# Altium PCB fNIRS_PCB.PcbDoc (part 2 of 3) (continued)
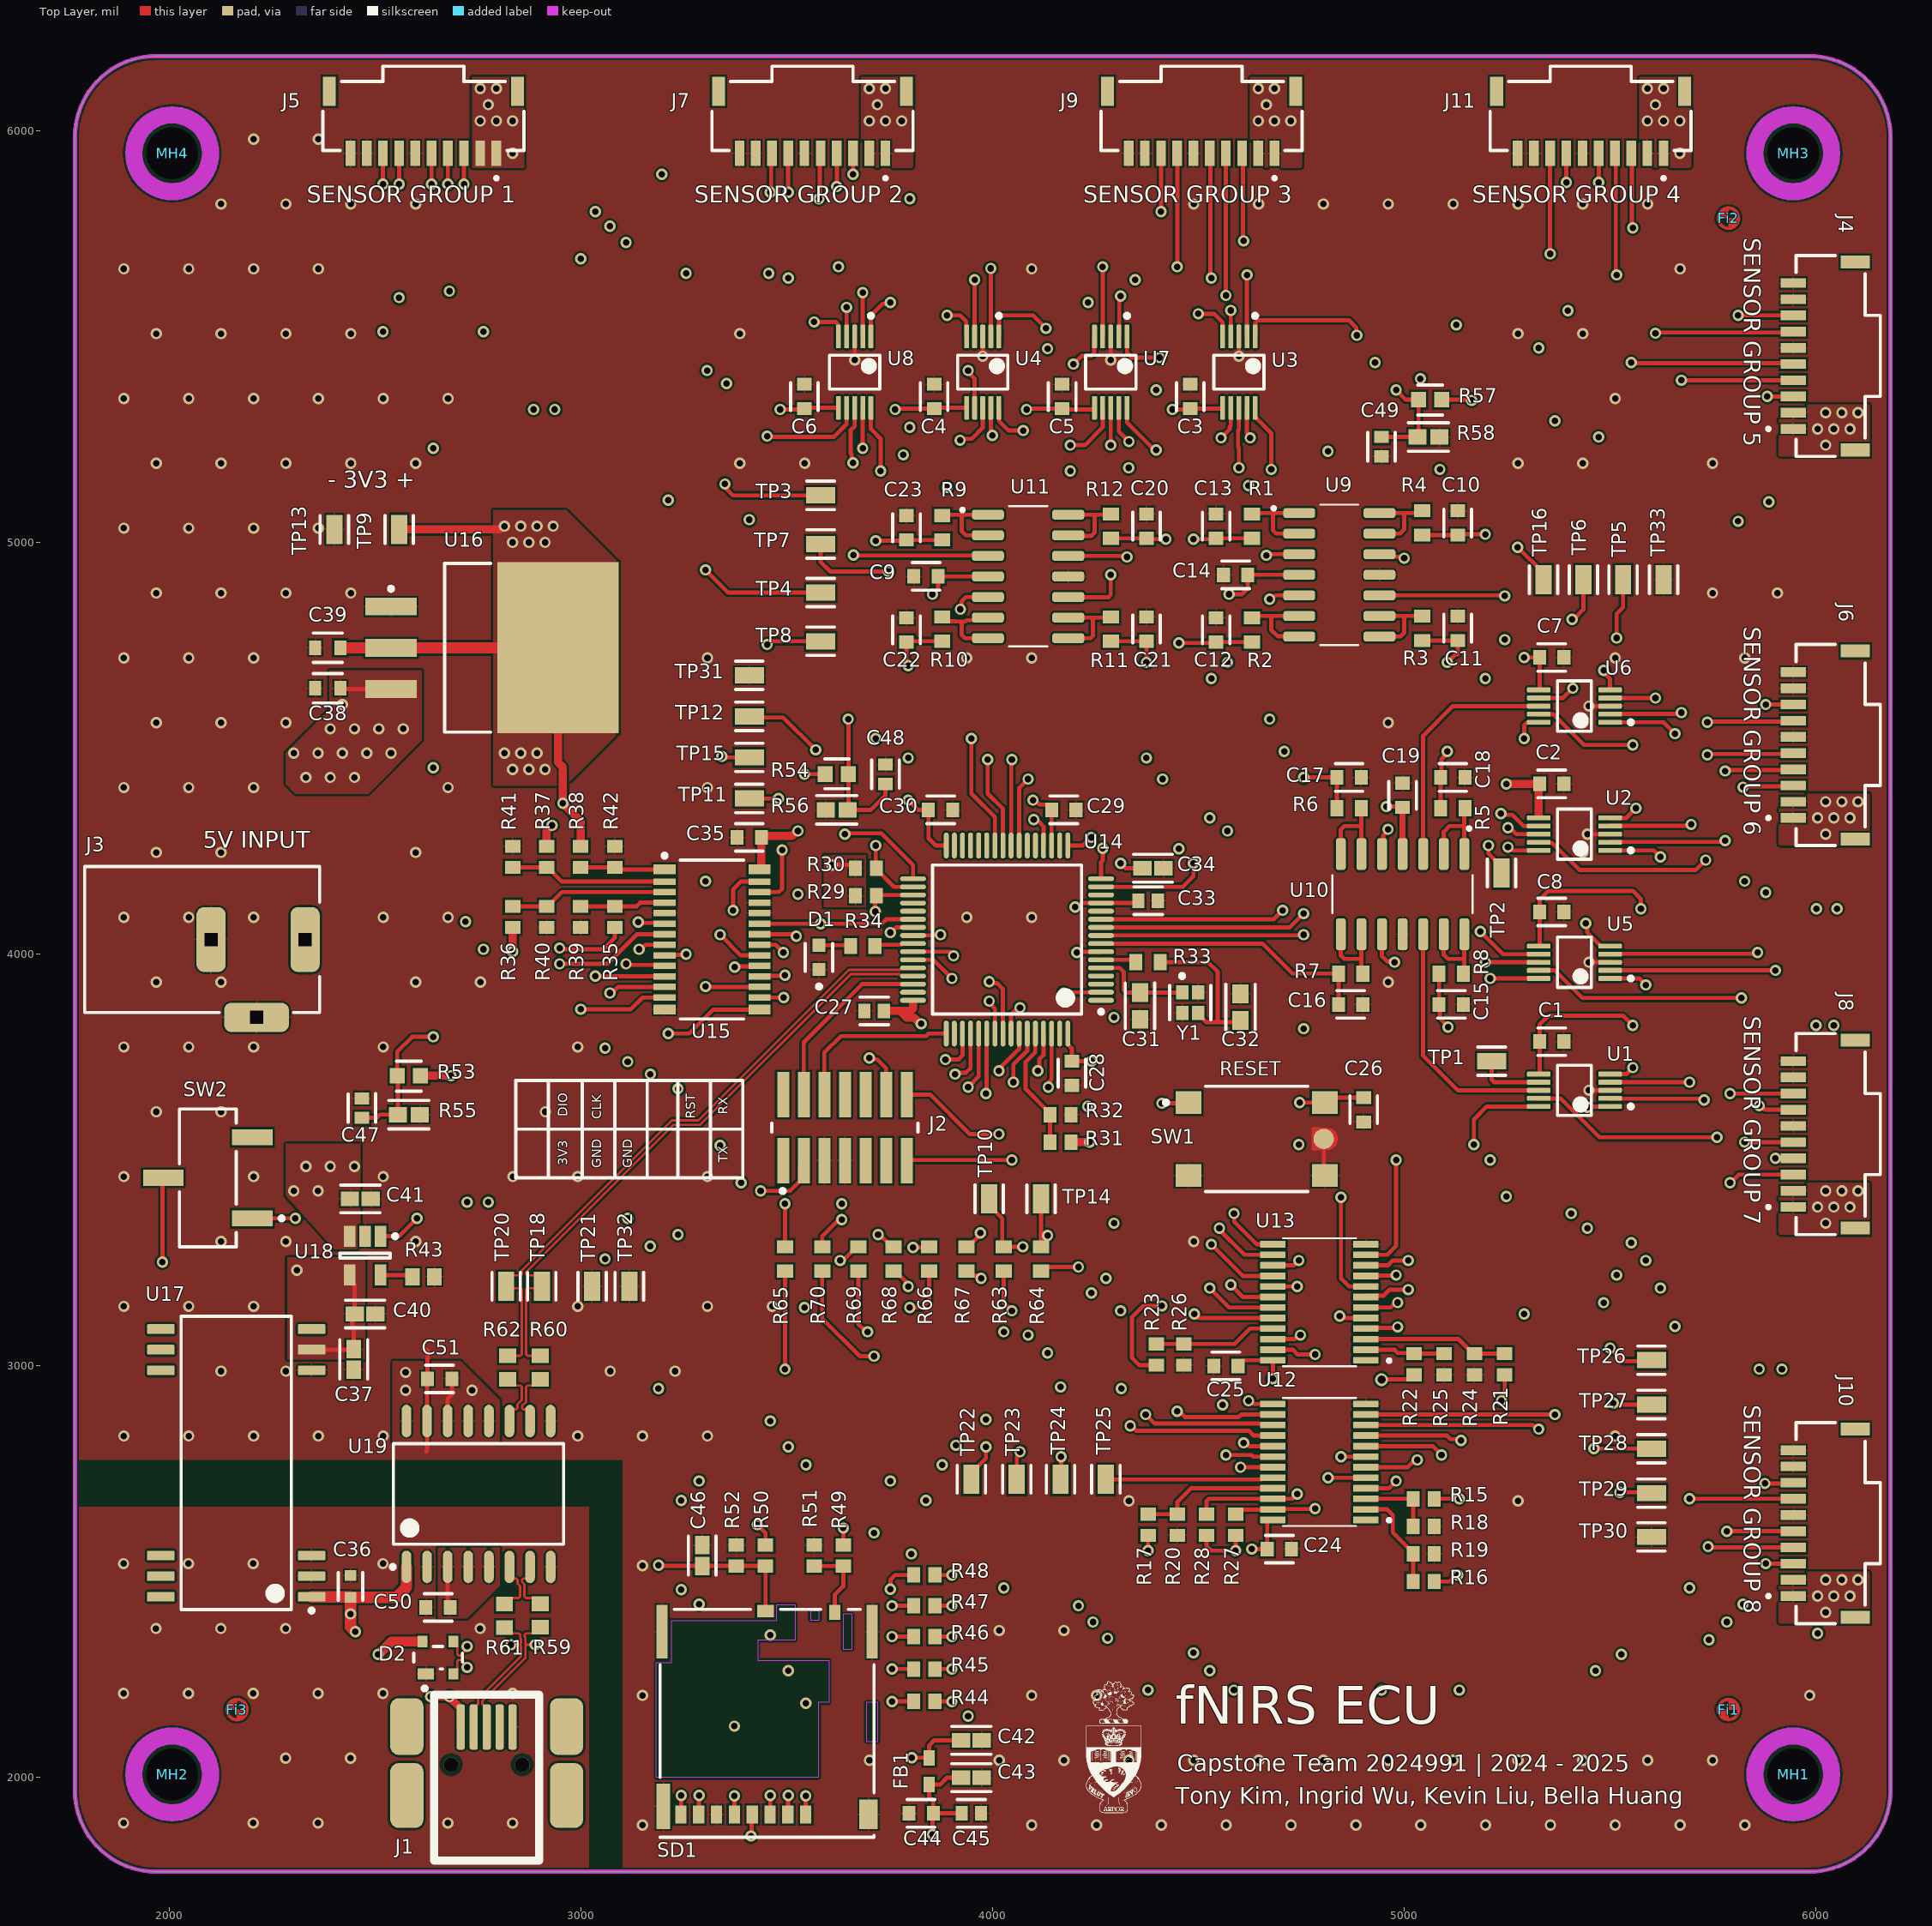
[diagram p0: Top Layer view]
## Nets (pads, with @x,y where several pads share a name; then routed paths per layer and width w, separated by ;. In a path a pad name is that pad's centre, name@x,y a point inside that pad or via, vN(x,y) a via of type N, cw(c..) or ccw(c..) an arc to the next point about the centre after c; other vN are vias at no path point) (continued)
  other v1: 6003.94,2440.95 6043.31,2440.95 6082.68,2440.95 6023.63,2480.32 6063,2480.32 6102.37,2480.32 2574.8,2940.94 2736.22,2940.94 2574.8,2984.25 6023.63,3346.46 6003.94,3385.83 6043.31,3385.83 6082.68,3385.83 6023.63,3425.2 6063,3425.2 6102.37,3425.2 6023.63,4291.34 6003.94,4330.71 6043.31,4330.71 6082.68,4330.71 6023.63,4370.08 6063,4370.08 6102.37,4370.08 2834.65,4448.82 2874.02,4448.82 2913.39,4448.82 2814.96,4488.19 2854.33,4488.19 2893.7,4488.19 2834.65,5000 2874.02,5000 2854.33,5039.37 2893.7,5039.37 2933.07,5039.37 6023.63,5236.22 6003.94,5275.59 6043.31,5275.59 6082.68,5275.59 6023.63,5314.96 6063,5314.96 6102.37,5314.96 2834.65,5944.89 5669.29,5944.89 2755.91,6023.63 2795.28,6023.63 2834.65,6023.63 3700.79,6023.63 3740.16,6023.63 3779.53,6023.63 4645.67,6023.63 4685.04,6023.63 4724.41,6023.63 5590.55,6023.63 5629.92,6023.63 5669.29,6023.63 2775.59,6063 3720.47,6063 4665.36,6063 5610.24,6063 2755.91,6102.37 2795.28,6102.37 3700.79,6102.37 3740.16,6102.37 4645.67,6102.37 4685.04,6102.37 5590.55,6102.37 5629.92,6102.37
3V3_SD: C43.1 C44.1 C45.1 FB1.2 SD1.4 | length 775.2
  Top Layer w10: v1(3413.39,1858.27) 3414.96,1859.84 3414.96,1909.06 SD1.4@3416.54,1910.63 ; v1(3854.33,1862.2) 3854.33,1911.42 C44.1@3856.3,1913.39 ; C43.1@3923.6,2000 3889.76,2000 3873.03,1983.27 FB1.2@3846.46,1983.27 3846.46,1952.76 3856.3,1942.91 C44.1@3856.3,1913.39 ; C45.1@3925.2,1913.39 C44.1@3856.3,1913.39
  Mid Layer 2 w10: v1(3413.39,1858.27) 3415.35,1860.24 3852.36,1860.24 v1(3854.33,1862.2)
5V_ISO: C37.1 C40.1 SW2.2 U17.13 U18.4 | length 832
  Top Layer w10: v1(1984.25,3251.97) 1984.25,3454.72 SW2.2@1986.22,3456.69 ; U17.13@2346.46,3039.37 2447.22,3039.37 C37.1@2448.82,3040.97 2448.82,3094.49 2444.42,3098.89 2444.42,3120.91 C40.1@2439.35,3125.98 ; U18.4@2438.98,3220.47 2438.98,3208.66 2451.16,3196.48 C40.1@2451.16,3125.98
  Mid Layer 2 w10: v1(1984.25,3251.97) 2290.01,3251.97 2309.69,3232.28 v1(2311.02,3232.28)
5V_USB: C36.1 D2.4 J1.1 U17.1 U19.1 | length 972.7
  Top Layer w19.68: v1(2635.67,2196.85) v1(2681.1,2196.85) 2681.1,2195.86 2708.66,2168.31 J1.1@2708.66,2123.03
  Top Layer w23.62: v1(2507.87,2299.21) 2508.94,2299.21 2540.44,2330.71 D2.4@2616.14,2330.71
  Top Layer w27.56: U17.1@2346.46,2439.37 2347.15,2438.68 2440.26,2438.68 C36.1@2440.94,2437.99 ; v1(2452.76,2354.33) 2440.94,2366.14 v1(2440.94,2397.64) C36.1@2440.94,2437.99 ; U19.1@2576.97,2511.81 2576.97,2462.8 2552.17,2437.99 C36.1@2440.94,2437.99
  Mid Layer 1 w19.68: v1(2507.87,2299.21) 2610.24,2196.85 v1(2681.1,2196.85)
  Mid Layer 1 w27.56: v1(2440.94,2397.64) 2440.94,2366.14 v1(2507.87,2299.21)
ADC12_IN5: U14.14
ADC12_IN6: C13.2 R1.2 U14.15 | length 1196.5
  Top Layer w10: U14.15@4263.78,4163.39 4462.6,4163.39 4488.19,4188.98 v1(4488.19,4220.47) ; v1(4488.19,5007.87) 4541.34,5007.87 C13.2@4543.31,5009.84 R1.2@4629.92,5009.84
  Mid Layer 1 w10: v1(4488.19,4220.47) v1(4488.19,5007.87)
ADC12_IN7: C12.2 R2.2 U14.16 | length 940.5
  Top Layer w10: U14.16@4263.78,4183.07 4263.78,4223.11 4267.72,4227.05 v1(4267.72,4256.89) ; v1(4452.76,4755.91) 4541.34,4755.91 C12.2@4543.31,4757.87 R2.2@4629.92,4757.87
  Mid Layer 1 w10: v1(4452.76,4255.91) v1(4452.76,4755.91)
  Mid Layer 2 w10: v1(4267.72,4256.89) 4270.67,4253.94 4450.79,4253.94 v1(4452.76,4255.91)
ADC12_IN8: C11.2 R3.2 U14.17 | length 1499.2
  Top Layer w10: U14.17@4183.07,4263.78 4219.14,4263.78 4238.89,4283.53 v1(4240.08,4283.53) ; R3.2@5043.31,4761.81 C11.2@5129.92,4761.81 5129.92,4728.35 5125.42,4728.35 5105.74,4708.66 v1(5104.41,4708.66)
  Mid Layer 1 w10: v1(4570.87,4299.21) v1(4570.87,4708.66)
  Mid Layer 2 w10: v1(4240.08,4283.53) 4244.84,4283.53 4260.51,4299.21 v1(4570.87,4299.21) ; v1(4570.87,4708.66) v1(5104.41,4708.66)
ADC12_IN9: C10.2 R4.2 U14.20 | length 2016.2
  Top Layer w10: v1(4100.31,4326.77) 4103.67,4323.41 4110.88,4323.41 4124.02,4310.28 U14.20@4124.02,4263.78 ; R4.2@5043.31,5017.72 C10.2@5129.92,5017.72 5131.89,5019.69 v1(5196.85,5019.69)
  Mid Layer 1 w10: v1(4527.56,4330.71) 4529.53,4332.68 4529.53,4667.32 v1(4531.5,4669.29) ; v1(5196.85,4669.29) v1(5196.85,5019.69)
  Mid Layer 2 w10: v1(4100.31,4326.77) 4102.28,4328.74 4525.59,4328.74 v1(4527.56,4330.71) ; v1(4531.5,4669.29) v1(5196.85,4669.29)
ADC12_IN10: U14.21
ADC12_IN11: U14.22
ADC12_IN12: C20.2 R12.2 U14.23 | length 1217.8
  Top Layer w10: U14.23@4064.96,4263.78 4064.96,4403.54 v1(4086.61,4425.2) ; R12.2@4287.4,5009.84 C20.2@4374.02,5009.84 4375.98,5007.87 v1(4421.26,5007.87)
  Mid Layer 1 w10: v1(4413.39,4425.2) 4413.39,4995.25 4421.26,5003.12 v1(4421.26,5007.87)
  Mid Layer 2 w10: v1(4086.61,4425.2) v1(4413.39,4425.2)
ADC12_IN13: C21.2 R11.2 U14.24 | length 908
  Top Layer w10: U14.24@4045.28,4263.78 4045.62,4264.13 4045.62,4470.82 v1(4047.24,4472.44) ; R11.2@4287.4,4759.84 C21.2@4374.02,4759.84 v1(4374.02,4708.66)
  Mid Layer 1 w10: v1(4374.02,4476.38) v1(4374.02,4708.66)
  Mid Layer 2 w10: v1(4047.24,4472.44) 4049.21,4474.41 4372.05,4474.41 v1(4374.02,4476.38)
ADC12_IN14: C22.2 R10.2 U14.25 | length 789.3
  Top Layer w10: v1(3795.28,4700.79) 3791.34,4704.72 C22.2@3791.34,4757.87 3793.31,4759.84 R10.2@3877.95,4759.84 ; v1(3988.19,4472.44) 3988.19,4389.76 4025.59,4352.36 U14.25@4025.59,4263.78
  Mid Layer 1 w10: v1(3795.28,4476.38) v1(3795.28,4700.79)
  Mid Layer 2 w10: v1(3795.28,4476.38) 3797.24,4474.41 3986.22,4474.41 v1(3988.19,4472.44)
ADC12_IN15: C23.2 R9.2 U14.26 | length 1158.3
  Top Layer w10: v1(3716.54,5003.94) 3789.37,5003.94 C23.2@3791.34,5005.91 R9.2@3877.95,5005.91 ; v1(3948.82,4523.62) 3948.82,4389.76 4005.91,4332.68 U14.26@4005.91,4263.78
  Mid Layer 1 w10: v1(3716.54,4523.62) v1(3716.54,5003.94)
  Mid Layer 2 w10: v1(3716.54,4523.62) v1(3948.82,4523.62)
ADC12_IN16: U14.27
ADC123_IN1: C16.2 R7.2 U14.8 | length 681.7
  Top Layer w10: U14.8@4263.78,4025.59 4655.51,4025.59 4728.35,3952.76 R7.2@4840.55,3952.76 C16.2@4840.55,3877.95
ADC123_IN2: C15.2 R8.2 U14.9 | length 1212.2
  Top Layer w10: U14.9@4263.78,4045.28 4264.13,4045.62 4754.28,4045.62 v1(4755.91,4047.24) ; R8.2@5084.65,3952.76 C15.2@5084.65,3877.95 5086.61,3875.98 5086.61,3843.85 5106.3,3824.16 v1(5106.3,3822.83)
  Mid Layer 1 w10: v1(4755.91,3818.9) v1(4755.91,4047.24)
  Mid Layer 2 w10: v1(4755.91,3818.9) 4757.87,3820.87 5104.33,3820.87 v1(5106.3,3822.83)
ADC123_IN3: C17.2 R6.2 U14.10 | length 992.2
  Top Layer w10: U14.10@4263.78,4064.96 4722.44,4064.96 v1(4755.91,4098.43) ; v1(4755.91,4429.13) C17.2@4836.61,4429.13 R6.2@4836.61,4354.33
  Mid Layer 1 w10: v1(4755.91,4098.43) v1(4755.91,4429.13)
ADC123_IN4: C18.2 R5.2 U14.11 | length 1377.5
  Top Layer w10: U14.11@4263.78,4084.65 4683.07,4084.65 v1(4704.72,4106.3) ; R5.2@5088.58,4354.33 C18.2@5088.58,4429.13 5090.55,4431.1 5090.55,4473.52 5104.41,4487.37 v1(5104.41,4492.13)
  Mid Layer 1 w10: v1(4704.72,4106.3) 4706.69,4108.27 4706.69,4490.16 v1(4708.66,4492.13)
  Mid Layer 2 w10: v1(4708.66,4492.13) v1(5104.41,4492.13)
AMBIENT_TEMP: C49.1 R57.1 R58.2 U9.12 | length 724
  Top Layer w10: U9.12@4939.96,4971.26 4946.21,4965.01 v1@4988.82,4965.01 ; C49.1@4944.88,5255.91 R58.2@5032.44,5255.91 5034.83,5258.29 R57.1@5034.83,5346.46 5003.94,5346.46 v1(4980.31,5370.08) ; v1@4988.86,4964.97 4996.64,4964.97 v1(5000,4961.61)
  Mid Layer 1 w10: v1(4980.31,5370.08) 4980.31,4982.63 5000,4962.94 v1(5000,4961.61)
AUX_GPIO: R65.2 U14.33 | length 1374.5
  Top Layer w10: R65.2@3496.06,3289.37 v1(3496.06,3393.7) ; v1(3641.73,4291.34) 3643.78,4293.39 3730.24,4293.39 3807.09,4216.54 U14.33@3807.09,4183.07
  Mid Layer 1 w10: v1(3633.86,3393.7) 3633.86,3810.67 3639.84,3816.66 3639.84,4289.45 v1(3641.73,4291.34)
  Mid Layer 2 w10: v1(3496.06,3393.7) v1(3633.86,3393.7)
BATTERY_TEMP: C47.1 R53.1 R55.2 U9.10 | length 4241.4
  Top Layer w10: C47.1@2468.5,3602.36 2503.94,3602.36 2511.81,3610.24 R55.2@2556.06,3610.24 2556.06,3703.18 R53.1@2554.51,3704.72 2554.51,3763.17 2590.55,3799.21 v1(2641.73,3799.21) ; U9.10@4939.96,4871.26 5242.91,4871.26 v1(5244.09,4870.08)
  Mid Layer 1 w10: v1(2641.73,3799.21) v1(2641.73,4452.76)
  Mid Layer 2 w10: v1(2641.73,4452.76) 2641.73,4728.35 2708.66,4795.28 3161.42,4795.28 5169.29,4795.28 v1(5244.09,4870.08)
BOOT: R31.1 R32.2 U14.60 | length 298.1
  Top Layer w10: U14.60@4104.33,3807.09 4103.98,3806.74 4103.98,3761.46 4080.63,3738.11 4080.63,3672.32 4139.76,3613.19 R32.2@4139.76,3610.24 R31.1@4139.76,3543.31
CARD_DETECT: C46.1 R50.1 R52.2 SD1.9 U14.2 | length 2828.7
  Top Layer w10: v1(3188.98,2515.75) 3190.57,2514.15 C46.1@3295.28,2514.15 3448.45,2514.15 R50.1@3448.82,2513.78 3448.82,2404.53 SD1.9@3449.02,2404.33 ; v1(4173.23,3905.51) 4174.85,3907.13 4263.43,3907.13 U14.2@4263.78,3907.48
  Mid Layer 1 w10: v1(3188.98,2515.75) v1(3188.98,2944.88) ; v1(4165.35,2948.82) 4165.35,3892.89 4173.23,3900.76 v1(4173.23,3905.51)
  Mid Layer 2 w10: v1(3188.98,2944.88) 3190.94,2946.85 4163.39,2946.85 v1(4165.35,2948.82)
DD_N: R62.1 U19.11 | length 142
  Top Layer w5.53: R62.1@2822.83,2967.52 2837.79,2952.57 2853.7,2952.57 2856.94,2949.33 2856.94,2916.98 2846.71,2906.75 2846.71,2897.81 2843.47,2894.57 2835.33,2894.57 2826.97,2886.21 U19.11@2826.97,2866.14
DD_P: R60.1 U19.10 | length 142
  Top Layer w5.53: U19.10@2876.97,2866.14 2876.97,2886.21 2868.61,2894.57 2860.47,2894.57 2857.23,2897.81 2857.23,2902.39 2867.47,2912.62 2867.47,2949.33 2870.7,2952.57 2886.62,2952.57 R60.1@2901.57,2967.52
GPIO_EX1_P1_4: TP22.1 U12.17 | length 831.9
  Top Layer w10: TP22.1@3948.82,2724.41 3948.82,2740.16 3984.25,2775.59 v1(3984.25,2803.15) ; v1(4610.24,2813.07) 4614.99,2813.07 4622.94,2805.12 U12.17@4681.1,2805.12
  Mid Layer 2 w10: v1(3984.25,2803.15) 4035.43,2854.33 4177.17,2854.33 4212.6,2818.9 4595.6,2818.9 4598.07,2816.43 4606.88,2816.43 v1(4610.24,2813.07)
GPIO_EX1_P1_5: TP23.1 U12.18 | length 708.8
  Top Layer w10: TP23.1@4059.06,2724.41 4059.06,2778.71 4066.93,2786.59 v1(4066.93,2791.34) ; v1(4566.93,2783.46) 4629.19,2783.46 4633.12,2779.53 U12.18@4681.1,2779.53
  Mid Layer 2 w10: v1(4066.93,2791.34) 4067.46,2791.34 4091.08,2814.96 4181.1,2814.96 4212.6,2783.46 v1(4566.93,2783.46)
GPIO_EX1_P1_6: TP24.1 U12.19 | length 580.8
  Top Layer w10: TP24.1@4165.35,2724.41 4166.67,2725.72 v1(4166.67,2779.53) ; v1(4602.36,2753.86) v1(4602.36,2753.86) U12.19@4681.1,2753.94 U12.19@4681.1,2753.94
  Mid Layer 2 w10: v1(4166.67,2779.53) 4192.34,2753.86 v1(4602.36,2753.86)
GPIO_EX1_P1_7: TP25.1 U12.20 | length 590
  Top Layer w10: U12.20@4681.1,2728.35 4658.27,2728.35 4654.17,2724.25 4458.52,2724.25 4458.37,2724.41 ; 4458.37,2724.41 TP25.1@4275.59,2724.41 4458.37,2724.41
GPIO_EX2_P1_4: TP26.1 U13.17 | length 1026.3
  Top Layer w10: U13.17@4681.1,3192.91 v1(4740.16,3192.91) ; v1(5500,3043.31) 5531.5,3011.81 TP26.1@5602.36,3011.81
  Mid Layer 2 w10: v1(4740.16,3192.91) 4740.16,3141.73 4838.58,3043.31 v1(5500,3043.31)
GPIO_EX2_P1_5: TP27.1 U13.18 | length 1484.5
  Top Layer w10: v1(4578.74,3196.85) 4608.27,3167.32 U13.18@4681.1,3167.32 ; v1(5507.87,2909.45) 5511.12,2906.2 TP27.1@5600.36,2906.2
  Mid Layer 1 w10: v1(4559.06,2905.51) 4559.06,3175.84 4578.74,3195.52 v1(4578.74,3196.85)
  Mid Layer 2 w10: v1(4559.06,2905.51) 4582.68,2881.89 5279.53,2881.89 5314.96,2917.32 5474.09,2917.32 5479.09,2912.32 5505,2912.32 v1(5507.87,2909.45)
GPIO_EX2_P1_6: TP28.1 U13.19 | length 2726.5
  Top Layer w10: v1(4527.56,3188.98) 4574.8,3141.73 U13.19@4681.1,3141.73 ; v1(5460.63,2799.21) 5569.93,2799.21 TP28.1@5600.36,2798.59
  Mid Layer 1 w10: v1(4527.56,2259.84) 4527.56,2264.59 4519.69,2272.47 4519.69,3176.35 4527.56,3184.22 v1(4527.56,3188.98) ; v1(5460.63,2799.21) 5462.68,2797.17 5462.68,2261.73 v1(5464.57,2259.84)
  Mid Layer 2 w10: v1(4527.56,2259.84) v1(5464.57,2259.84)
GPIO_EX2_P1_7: TP29.1 U13.20 | length 2526.9
  Top Layer w10: v1(4490.08,3125.98) 4492.13,3125.98 4501.97,3116.14 U13.20@4681.1,3116.14 ; v1(5523.62,2692.91) 5587.01,2692.91 TP29.1@5592.91,2698.82
  Mid Layer 1 w10: v1(4488.19,2303.15) 4490.16,2305.12 4490.16,3125.91 v1(4490.08,3125.98) ; v1(5523.62,2692.91) 5525.59,2690.94 5525.59,2301.18 v1(5527.56,2299.21)
  Mid Layer 2 w10: v1(4488.19,2303.15) 4490.16,2301.18 5525.59,2301.18 v1(5527.56,2299.21)
GPIO_P0_0_U_GPIO_Expander1: U7.1 U12.4 | length 3483.6
  Top Layer w10: U7.1@4326.77,5500 4326.77,5460.63 4338.58,5448.82 v1(4405.51,5448.82) ; U12.4@4907.09,2702.76 4962.6,2702.76 v1(4980.31,2720.47)
  Mid Layer 1 w10: v1(4929.13,5437.01) 4929.13,4884.54 4927.09,4882.49 4927.09,3092.6 4980.31,3039.37 v1(4980.31,2720.47)
  Mid Layer 2 w10: v1(4405.51,5448.82) 4431.93,5422.4 4674.79,5422.4 4689.39,5437.01 v1(4929.13,5437.01)
GPIO_P0_0_U_GPIO_Expander2: U6.1 U13.4 | length 2360.9
  Top Layer w10: U13.4@4907.09,3090.55 4909.09,3092.56 4982.24,3092.56 v1(4984.25,3094.57) ; U6.1@5500,4562.99 5629.92,4562.99 v1(5657.48,4535.43)
  Mid Layer 1 w10: v1(5657.48,3096.07) v1(5657.48,4535.43)
  Mid Layer 2 w10: v1(4984.25,3094.57) 4985.01,3095.32 5656.73,3095.32 v1(5657.48,3096.07)
GPIO_P0_1_U_GPIO_Expander1: U7.10 U12.5 | length 3138.1
  Top Layer w10: U7.10@4326.77,5326.77 4326.77,5291.34 4393.7,5224.41 v1(4397.64,5224.41) ; v1(4814.96,2728.35) U12.5@4907.09,2728.35
  Mid Layer 1 w10: v1(4814.72,5221.05) 4814.72,5210.6 4813.9,5209.77 4813.9,2729.41 v1(4814.96,2728.35)
  Mid Layer 2 w10: v1(4397.64,5224.41) 4399.32,5222.73 4813.04,5222.73 v1(4814.72,5221.05)
GPIO_P0_1_U_GPIO_Expander2: U6.10 U13.5 | length 1990.9
  Top Layer w10: v1@4838.58,3125.98 v1(4843.5,3121.06) 4848.43,3116.14 U13.5@4907.09,3116.14 ; v1(5291.34,4523.62) 5291.34,4556.23 5297.2,4562.09 5325.87,4562.09 U6.10@5326.77,4562.99
  Mid Layer 1 w10: v1(5291.34,3125.98) v1(5291.34,4523.62)
  Mid Layer 2 w10: v1(4843.5,3121.06) 4846.61,3124.17 5289.53,3124.17 v1(5291.34,3125.98)
GPIO_P0_2_U_GPIO_Expander1: U7.5 U12.6 | length 3720.2
  Top Layer w10: v1(4196.85,5433.07) 4216.54,5452.76 4240.16,5452.76 4247.13,5459.72 4247.13,5499.09 U7.5@4248.03,5500 ; U12.6@4907.09,2753.94 5009.03,2753.94 5026.74,2771.65 v1(5031.5,2771.65)
  Mid Layer 1 w10: v1(5031.5,2771.65) 5031.5,3165.06 5039.37,3172.93 v1(5039.37,5397.64)
  Mid Layer 2 w10: v1(4196.85,5433.07) 4224.41,5405.51 5026.74,5405.51 5034.62,5397.64 v1(5039.37,5397.64)
GPIO_P0_2_U_GPIO_Expander2: U6.5 U13.6 | length 2173
  Top Layer w10: U13.6@4907.09,3141.73 4967.45,3141.73 4979.5,3153.78 v1(4984.25,3153.78) ; v1(5484.25,4688.98) 5484.25,4684.22 5500,4668.48 U6.5@5500,4641.73
  Mid Layer 1 w10: v1(5484.25,3153.54) v1(5484.25,4688.98)
  Mid Layer 2 w10: v1(4984.25,3153.78) 4986.06,3155.59 5482.2,3155.59 v1(5484.25,3153.54)
GPIO_P0_3_U_GPIO_Expander1: U3.1 U12.7 | length 3108.7
  Top Layer w10: U3.1@4637.79,5500 4638.7,5500.91 4638.7,5533.51 4644.56,5539.37 4866.14,5539.37 4883.28,5522.23 4883.28,5504.37 v1(4884.7,5502.95) ; v1(4846.46,2779.53) U12.7@4907.09,2779.53
  Mid Layer 1 w10: v1(4846.46,2779.53) 4885.83,2818.9 4885.83,5501.83 v1(4884.7,5502.95)
GPIO_P0_3_U_GPIO_Expander2: U2.1 U13.7 | length 1899.7
  Top Layer w10: U13.7@4907.09,3167.32 4910.16,3170.39 4949.92,3170.39 4964.57,3185.04 5009.61,3185.04 v1(5009.76,3185.2) ; U2.1@5500,4251.97 5606.3,4251.97 v1(5622.05,4236.22)
  Mid Layer 1 w10: v1(5622.05,3188.98) v1(5622.05,4236.22)
  Mid Layer 2 w10: v1(5009.76,3185.2) 5011.65,3187.09 5620.16,3187.09 v1(5622.05,3188.98)
GPIO_P0_4_U_GPIO_Expander1: U3.10 U12.8 | length 3172.9
  Top Layer w10: U3.10@4637.79,5326.77 4637.79,5304.13 4677.17,5264.76 v1(4677.17,5177.17) ; U12.8@4907.09,2805.12 5068.9,2805.12 v1(5090.55,2783.46)
  Mid Layer 1 w10: v1(5086.61,5177.17) 5086.61,4732.74 5074.8,4720.92 5074.8,3791.34 5090.55,3775.59 v1(5090.55,2783.46)
  Mid Layer 2 w10: v1(4677.17,5177.17) v1(5086.61,5177.17)
GPIO_P0_4_U_GPIO_Expander2: U2.10 U13.8 | length 1580.4
  Top Layer w10: v1(4846.46,3409.45) 4846.46,3212.6 4866.14,3192.91 U13.8@4907.09,3192.91 ; 5264.59,4251.97 U2.10@5326.77,4251.97
  Mid Layer 1 w10: v1(5248.03,3411.33) 5250,3413.3 5250,4257.87 v1(5251.97,4259.84)
  Mid Layer 2 w10: v1(4846.46,3409.45) 4848.43,3411.42 5247.95,3411.42 v1(5248.03,3411.33)
GPIO_P0_5_U_GPIO_Expander1: U3.5 U12.9 | length 3689.6
  Top Layer w10: v1(4500,5555.12) 4538.14,5555.12 4558.9,5534.36 4558.9,5500.16 U3.5@4559.05,5500 ; U12.9@4907.09,2830.71 5104.02,2830.71 5112.47,2822.26 5134.44,2822.26 v1(5137.8,2818.9)
  Mid Layer 1 w10: v1(5126.56,5528.14) 5125.98,5527.56 5125.98,4728.96 5137.8,4717.15 v1(5137.8,2818.9)
  Mid Layer 2 w10: v1(4500,5555.12) 4521.43,5533.69 5111.92,5533.69 5114.11,5531.5 5123.2,5531.5 v1(5126.56,5528.14)
GPIO_P0_5_U_GPIO_Expander2: U2.5 U13.9 | length 1835.7
  Top Layer w10: U13.9@4907.09,3218.5 4908.07,3219.49 4979.33,3219.49 v1(4980.31,3220.47) ; U2.5@5500,4330.71 5539.37,4330.71 v1(5562.99,4354.33)
  Mid Layer 1 w10: v1(5515.75,3220.47) 5515.75,4307.09 v1(5562.99,4354.33)
  Mid Layer 2 w10: v1(4980.31,3220.47) v1(5515.75,3220.47)
GPIO_P0_6_U_GPIO_Expander1: U4.1 U12.10 | length 4440
  Top Layer w10: U4.1@4015.75,5500 4015.75,5543.31 4023.62,5551.18 4098.43,5551.18 v1(4129.92,5519.69) ; U12.10@4907.09,2856.3 5312.18,2856.3 5322.02,2846.46 v1(5326.77,2846.46)
  Mid Layer 1 w10: v1(5326.77,2846.46) v1(5326.77,5472.44)
  Mid Layer 2 w10: v1(4129.92,5519.69) 4145.67,5503.94 4633.86,5503.94 4665.35,5472.44 v1(5326.77,5472.44)
GPIO_P0_6_U_GPIO_Expander2: U5.1 U13.10 | length 1446.8
  Top Layer w10: U13.10@4907.09,3244.09 4907.32,3244.33 4960.87,3244.33 4972.44,3255.91 v1(5009.76,3255.91) ; U5.1@5500,3940.94 5570.87,3940.94 v1(5586.61,3925.2)
  Mid Layer 1 w10: v1(5586.61,3255.91) v1(5586.61,3925.2)
  Mid Layer 2 w10: v1(5009.76,3255.91) v1(5586.61,3255.91)
GPIO_P0_7_U_GPIO_Expander1: U4.10 U12.11 | length 4273.9
  Top Layer w10: U4.10@4015.75,5326.77 4016.65,5325.87 4016.65,5294.37 4039.37,5271.65 v1(4074.8,5271.65) ; U12.11@4907.09,2881.89 v1(5366.14,2881.89)
  Mid Layer 1 w10: v1(5366.14,2881.89) v1(5366.14,5295.28)
  Mid Layer 2 w10: v1(4074.8,5271.65) 4079.43,5271.65 4091.24,5283.46 5351.5,5283.46 5363.32,5295.28 v1(5366.14,5295.28)
GPIO_P0_7_U_GPIO_Expander2: U5.10 U13.11 | length 1078.3
  Top Layer w10: U13.11@4907.09,3269.68 4958.66,3269.68 4980.31,3291.34 v1(4980.31,3500) ; v1(5208.66,3940.94) U5.10@5326.77,3940.94
  Mid Layer 1 w10: v1(5208.66,3500) v1(5208.66,3940.94)
  Mid Layer 2 w10: v1(4980.31,3500) v1(5208.66,3500)
GPIO_P1_0_U_GPIO_Expander1: U4.5 U12.13 | length 3531.5
  Top Layer w10: v1(3889.76,5551.18) 3921.26,5551.18 3936.1,5536.34 3936.1,5500.91 U4.5@3937.01,5500 ; v1(4622.05,2915.28) 4626.8,2915.28 4634.59,2907.48 U12.13@4681.1,2907.48
  Mid Layer 1 w10: v1(3889.76,5133.86) v1(3889.76,5551.18) ; v1(4622.05,2915.28) v1(4622.05,5137.8)
  Mid Layer 2 w10: v1@3881.89,5137.8 v1(4622.05,5137.8)
GPIO_P1_0_U_GPIO_Expander2: U5.5 U13.13 | length 1771
  Top Layer w10: v1(4586.61,3370.08) 4587.12,3369.57 4587.12,3349.89 4641.56,3295.45 4680.93,3295.45 U13.13@4681.1,3295.28 ; v1(5440.94,4074.8) 5444.3,4071.44 5444.3,4052.74 5477.36,4019.69 U5.5@5500,4019.69
  Mid Layer 1 w10: v1(5405.51,3370.08) 5405.51,4039.37 v1(5440.94,4074.8)
  Mid Layer 2 w10: v1@4583.81,3370.08 v1(5405.51,3370.08)
GPIO_P1_1_U_GPIO_Expander1: U8.1 U12.14 | length 3614.9
  Top Layer w10: U8.1@3704.72,5500 3704.72,5551.18 3732.86,5579.32 3748.61,5579.32 v1(3751.97,5582.68) ; v1(4448.82,2889.76) 4453.57,2889.76 4467.43,2875.91 4598,2875.91 4603.99,2881.89 U12.14@4681.1,2881.89
  Mid Layer 1 w10: v1(4232.28,5582.68) 4232.28,4433.07 4448.82,4216.54 v1(4448.82,2889.76)
  Mid Layer 2 w10: v1(3751.97,5582.68) v1(4232.28,5582.68)
GPIO_P1_1_U_GPIO_Expander2: U1.1 U13.14 | length 1405.4
  Top Layer w10: v1(4551.18,3334.65) 4551.18,3330.71 4612.2,3269.68 U13.14@4681.1,3269.68 ; v1(5444.88,3628.03) 5446.77,3629.92 U1.1@5500,3629.92
  Mid Layer 1 w10: v1(5444.88,3334.65) v1(5444.88,3628.03)
  Mid Layer 2 w10: v1@4547.92,3334.65 v1(5444.88,3334.65)
GPIO_P1_2_U_GPIO_Expander1: U8.10 U12.15 | length 3317.3
  Top Layer w10: U8.10@3704.72,5326.77 3704.72,5275.59 3728.35,5251.97 v1(3728.35,5173.23) ; v1(4372.13,2881.89) 4393.86,2860.16 4647.72,2860.16 4648.5,2859.37 4678.03,2859.37 U12.15@4681.1,2856.3
  Mid Layer 1 w10: v1(4188.98,5173.23) 4188.98,4401.57 4377.95,4212.6 4377.95,3553.56 4370.08,3545.68 4370.08,2883.94 v1(4372.13,2881.89)
  Mid Layer 2 w10: v1(3728.35,5173.23) v1(4188.98,5173.23)
GPIO_P1_2_U_GPIO_Expander2: U1.10 U13.15 | length 1006.1
  Top Layer w10: U13.15@4681.1,3244.09 4732.28,3244.09 v1(4744.09,3255.91) ; v1(5169.29,3537.32) 5169.29,3598.43 5200.79,3629.92 U1.10@5326.77,3629.92
  Mid Layer 1 w10: v1(4744.09,3255.91) v1(4744.09,3537.32)
  Mid Layer 2 w10: v1(4744.09,3537.32) v1(5169.29,3537.32)
GPIO_P1_3_U_GPIO_Expander1: U8.5 U12.16 | length 3746.4
  Top Layer w10: v1(3566.93,5535.43) 3619.22,5535.43 3625.08,5529.58 3625.08,5500.91 U8.5@3625.98,5500 ; v1(4334.65,2854.33) 4337.63,2854.33 4349.28,2842.68 4622.5,2842.68 4634.47,2830.71 U12.16@4681.1,2830.71
  Mid Layer 1 w10: v1(4133.86,5470.39) 4133.86,4307.09 4342.52,4098.43 4342.52,2909.45 4334.65,2901.57 v1(4334.65,2854.33)
  Mid Layer 2 w10: v1(3566.93,5535.43) 3610.24,5492.13 4059.06,5492.13 4080.79,5470.39 v1(4133.86,5470.39)
GPIO_P1_3_U_GPIO_Expander2: U1.5 U13.16 | length 1689.6
  Top Layer w10: v1(4531.5,3295.28) 4608.27,3218.5 U13.16@4681.1,3218.5 ; U1.5@5500,3708.66 5539.37,3708.66 v1(5555.12,3724.41)
  Mid Layer 1 w10: v1(5551.18,3299.21) 5553.15,3301.18 5553.15,3722.44 v1(5555.12,3724.41)
  Mid Layer 2 w10: v1@4531.5,3299.21 v1(5551.18,3299.21)
I2C1_SCL: R28.1 R63.2 TP10.1 U12.22 U13.22 U14.61 | length 2325.6
  Top Layer w10: TP10.1@3992.13,3405.51 3992.13,3389.76 4023.62,3358.27 4023.62,3289.37 v1(4073.82,3289.37) ; v1(4110.24,3716.54) 4113.6,3719.9 4113.6,3744.33 4124.02,3754.75 U14.61@4124.02,3807.09 ; R28.1@4519.69,2639.76 4519.69,2671.31 4525.54,2677.17 U12.22@4681.1,2677.17 4728.35,2677.17 v1(4740.16,2688.98) ; U13.22@4681.1,3064.96 4733.44,3064.96 4743.28,3074.8 v1(4748.03,3074.8)
  Mid Layer 1 w10: v1(4073.82,3289.37) v1@4086.61,3289.37 ; v1(4086.61,3074.8) 4086.61,3641.73 4106.14,3661.26 4106.14,3689.43 4106.88,3690.16 4106.88,3713.18 v1(4110.24,3716.54) ; v1(4740.16,2688.98) 4743.52,2692.34 4743.52,2701.15 4745.98,2703.61 4745.98,3072.76 v1(4748.03,3074.8)
  Mid Layer 2 w10: v1(4086.61,3074.8) v1(4748.03,3074.8) v1@4748.03,3070.05
I2C1_SDA: R27.1 R64.2 TP14.1 U12.23 U13.23 U14.62 | length 2229.4
  Top Layer w10: R64.2@4118.11,3289.37 4118.11,3322.83 ; TP14.1@4118.11,3405.51 4118.11,3322.83 ; v1(4133.86,3316.85) 4130.5,3320.21 4120.73,3320.21 4118.11,3322.83 ; 4139.11,3691.1 4143.7,3695.7 U14.62@4143.7,3807.09 ; R27.1@4590.55,2639.76 4601.3,2650.51 4680.04,2650.51 4682.09,2652.56 4782.48,2652.56 v1(4783.46,2653.54) ; U13.23@4681.1,3039.37 4729.78,3039.37 4741.59,3027.56 4783.31,3027.56 v1(4783.46,3027.72)
  Mid Layer 1 w10: v1(4133.86,3031.5) v1(4133.86,3316.85) ; v1@4135.17,3316.85 4135.17,3676.59 v1(4135.75,3677.17) ; v1(4783.46,2653.54) v1(4783.46,3027.72)
  Mid Layer 2 w10: v1(4133.86,3031.5) 4135.83,3029.53 4781.65,3029.53 v1(4783.46,3027.72)
I2C2_SCL: R30.1 TP11.1 U14.34 U15.26 | length 749.2
  Top Layer w10: TP11.1@3409.45,4377.95 v1(3480.32,4377.95) ; U15.26@3434.06,4150.59 3481.3,4150.59 3489.17,4158.46 v1(3489.17,4253.03) ; v1(3716.54,4263.78) 3716.54,4210.63 R30.1@3718.5,4208.66 3718.5,4205.71 3760.83,4163.39 U14.34@3807.09,4163.39
  Mid Layer 1 w10: v1(3480.32,4377.95) 3489.17,4369.09 v1(3489.17,4253.03)
  Mid Layer 2 w10: v1(3489.17,4253.03) 3701.04,4253.03 3711.78,4263.78 v1(3716.54,4263.78)
I2C2_SDA: R29.1 TP15.1 U14.35 U15.27 | length 1038.9
  Top Layer w10: v1(3342.52,4480.31) 3345.14,4477.69 TP15.1@3409.45,4477.69 ; v1(3370.08,4106.3) 3370.08,4157.48 3388.78,4176.18 U15.27@3434.06,4176.18 ; v1(3715.31,4103.43) 3715.31,4138.53 3720.47,4143.7 U14.35@3807.09,4143.7
  Mid Layer 1 w10: v1@3342.52,4467.4 3342.52,4133.86 v1(3370.08,4106.3)
  Mid Layer 2 w10: v1(3370.08,4106.3) 3372.95,4103.43 v1(3715.31,4103.43)
INA_U_Buffer1: TP16.1 U9.3 | length 806.6
  Top Layer w10: v1(4665.35,4968.5) 4668.11,4971.26 U9.3@4745.08,4971.26 ; v1(5275.59,4988.19) 5338.58,4925.2 TP16.1@5338.58,4909.45
  Mid Layer 2 w10: v1(4665.35,4968.5) 4666.68,4968.5 4689.4,4991.22 5012.26,4991.22 5015.3,4988.19 v1(5275.59,4988.19)
INA_U_Buffer2: U6.8 U10.3 | length 597.8
  Top Layer w10: U10.3@5046.06,4243.11 5046.06,4530.32 5118.11,4602.36 U6.8@5326.77,4602.36
INA_U_Buffer3: U8.8 U11.3 | length 691.9
  Top Layer w10: v1(3661.42,5192.91) 3658.06,5196.27 3658.06,5213.46 3655.43,5216.08 3655.43,5272.11 3665.35,5282.03 U8.8@3665.35,5326.77 ; v1(3662.4,4969.49) 3663.48,4968.41 3988.09,4968.41 U11.3@3989.17,4967.32
  Mid Layer 1 w10: v1(3661.42,5192.91) 3661.91,5192.42 3661.91,4969.98 v1(3662.4,4969.49)
INB_U_Buffer1: C48.1 R54.1 R56.2 U9.5 | length 1745.7
  Top Layer w10: v1(3649.61,4570.87) 3650.21,4570.26 R54.1@3650.21,4437.01 3650.21,4351.94 R56.2@3648.66,4350.39 3704.72,4350.39 3740.16,4385.83 C48.1@3740.16,4413.39 ; v1(4673.23,4862.2) 4677.98,4862.2 4687.03,4871.26 U9.5@4745.08,4871.26
  Mid Layer 1 w10: v1(4673.23,4570.87) v1(4673.23,4862.2)
  Mid Layer 2 w10: v1(3649.61,4570.87) v1(4673.23,4570.87)
INB_U_Buffer2: U2.8 U10.5 | length 440.4
  Top Layer w10: U10.5@4946.06,4243.11 4949.01,4246.05 4949.01,4288.51 4960.63,4300.14 v1(4960.63,4303.15) ; v1(5251.97,4307.09) 5256.72,4307.09 5272.47,4291.34 U2.8@5326.77,4291.34
  Mid Layer 2 w10: v1(4960.63,4303.15) 4962.6,4305.12 5250,4305.12 v1(5251.97,4307.09)